# Allegro board RK_EXCAVATOR_MAIN_V12_20161114_FZBFINAL.brd (continued)
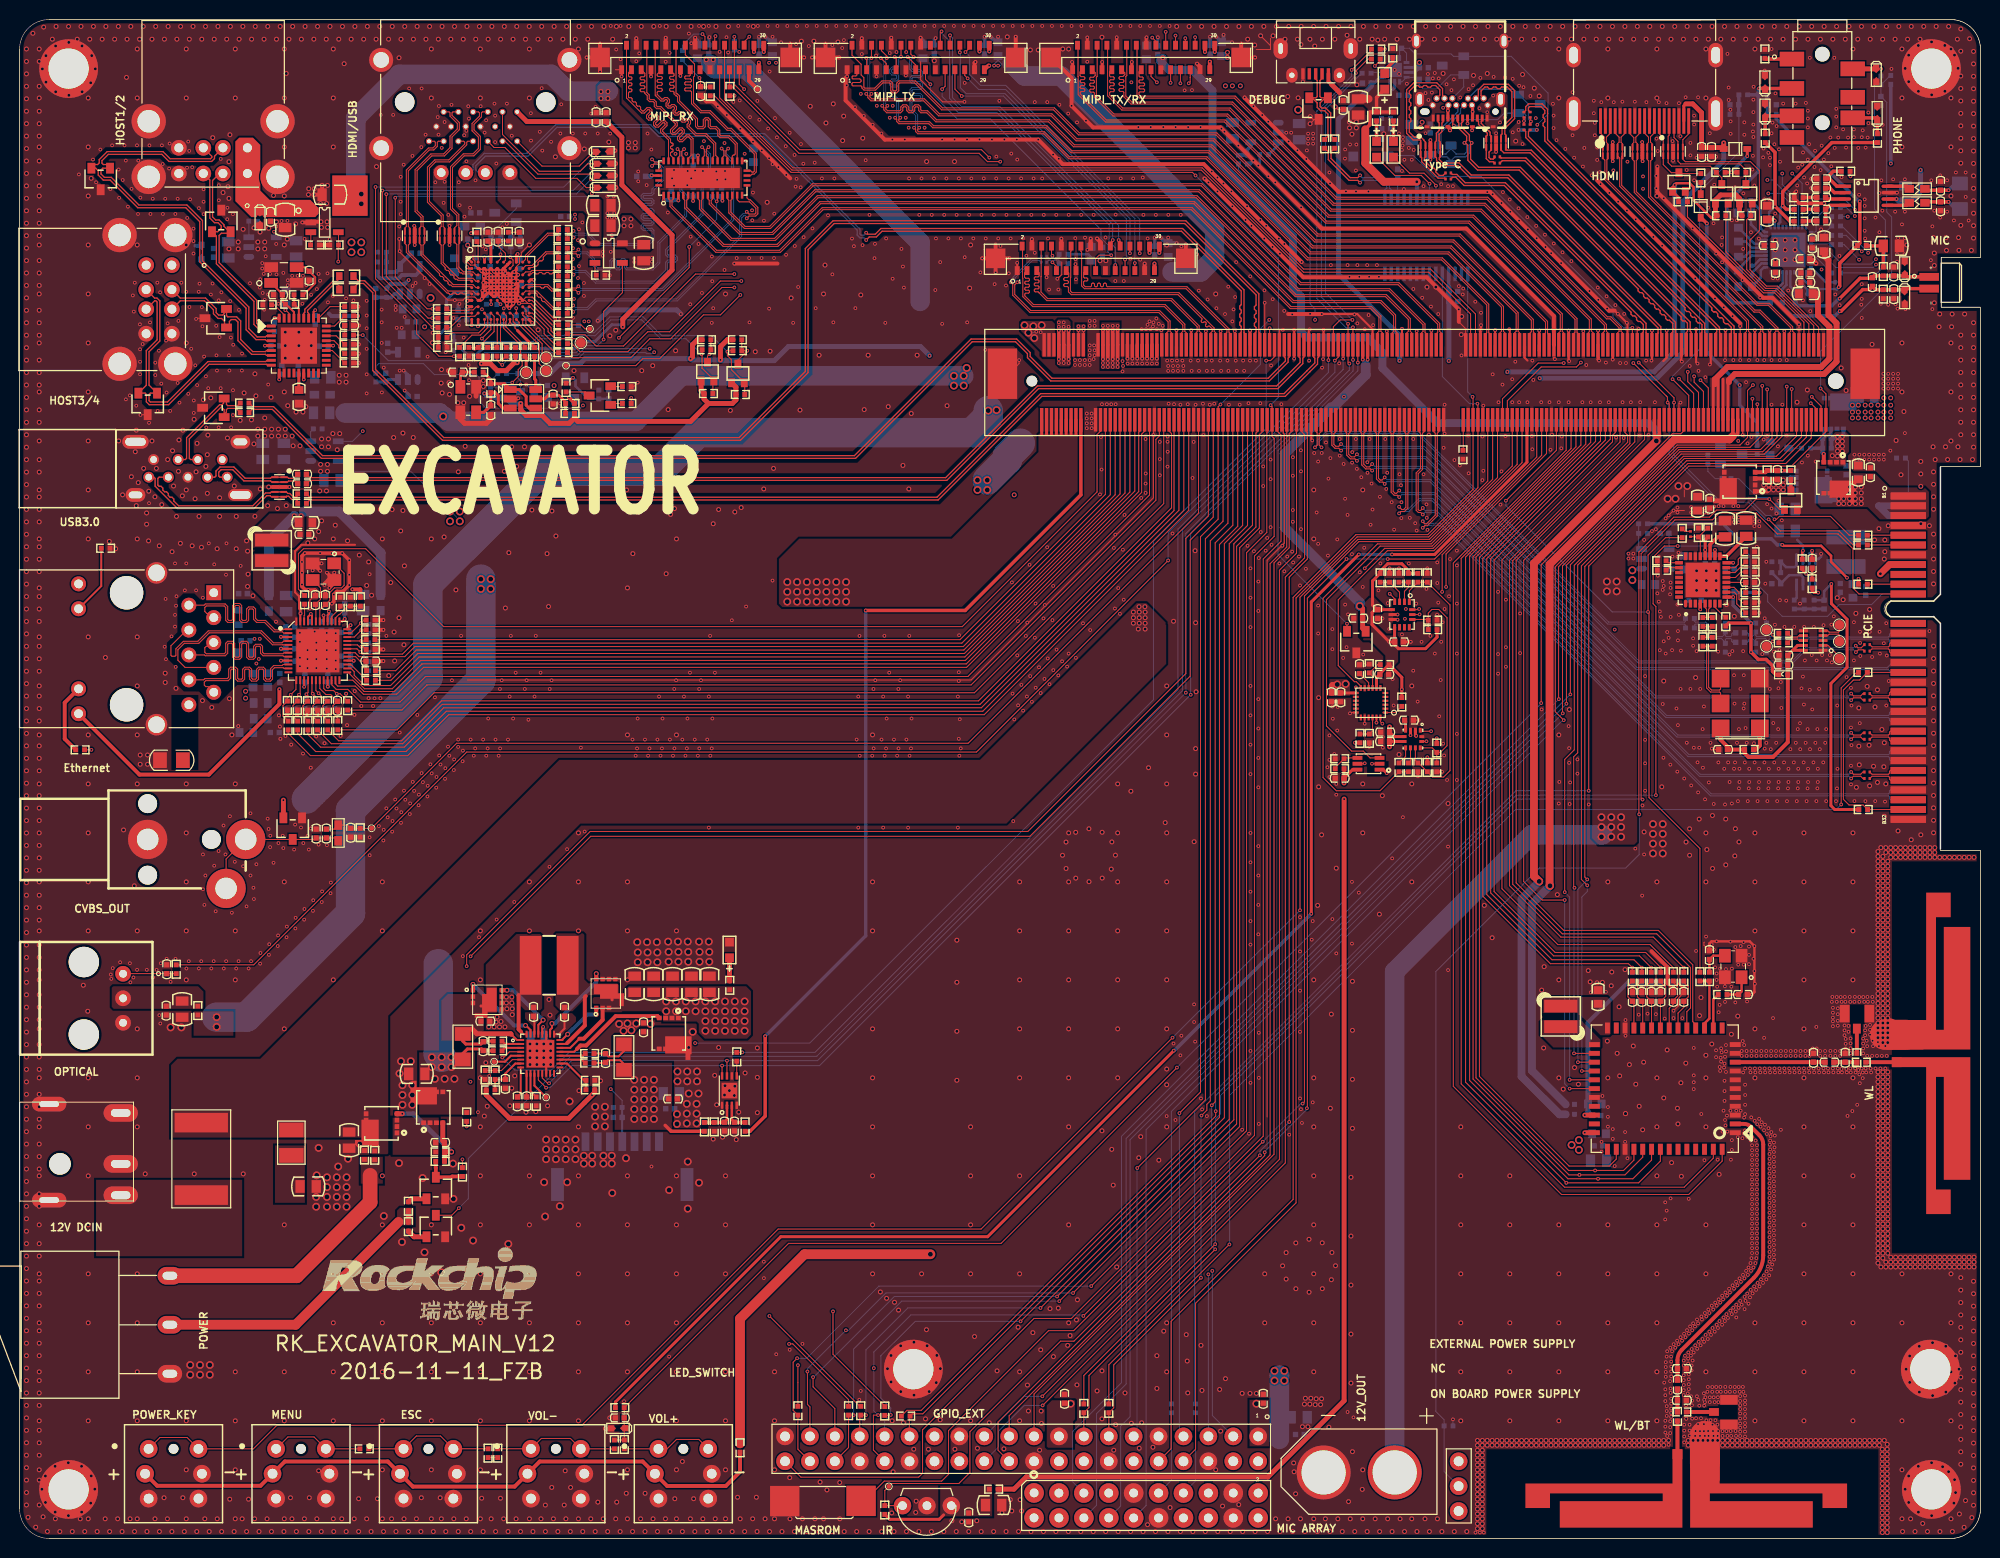
[diagram p0: board, top side]
## Routing (per net, layer and track width the routed paths; a pad name or vN(x,y) marks a point on that pad's centre or on a via; arc(x,y) is an arc through that point) (continued)
VBUS_TYPEC: length 3.8
  TOP w0.305: J8903.A9 v1(145.69,145.7) 145.69,146.21 J8903.B4 ; J8903.B9 148.21,146.19 v1(148.21,145.6) 148.21,144.97 J8903.A4
  BOTTOM w0.102: C8948.1 143.76,144.34 ; 140.26,147.96 140.26,148.06
  BOTTOM w0.3: U8914.2 140.26,148.06 140.05,147.85
  vias: v1(145.2,146) v2(142.9,144) v2(143.06,144.52) v3(130.41,145.8)
VCC1V8_S3: length 183.2
  TOP w0.35: 167.05,112.5 166.95,112.4 v3(166.95,112) ; J9001.243 167.25,112.5 ; J9001.241 166.75,112.5
  TOP w0.8: v3(155,67.05) 154.46,67.59 154.46,99.51 v3(166.95,112)
  S1 w0.4: v2(93.3,150.8) 96.81,150.8 97.22,151.21 116.49,151.21 v2(116.6,151.1)
  BOTTOM w0.102: C4703.1 v2(93.3,150.8) 93.1,150.8
  BOTTOM w0.8: v2(116.6,151.1) 116.3,150.8 117.25,149.85 119.6,149.85 121.67,147.78 121.67,141.12 129.88,132.92 129.88,127.58 130.72,126.73 130.72,123.14 131.31,122.55 137.5,122.55 139,121.05 139,119.45 144.63,113.82 166.15,113.82 166.95,113.02 v3(166.95,112) ; v3(155,67.05) 153.2,65.25 153.2,47.15 157.07,43.28 R9022.1
VCC3V3_FT232_U2: length 2
  BOTTOM w0.102: U1401.17 140.57,136.85 C1403.1
VCC3V3_S3: length 345.1
  TOP w0.25: U4601.22 v1(74.08,140.58) ; U4601.1 v1(65.69,136.54) ; U4601.13 v1(71.69,136.51) ; U4601.7 v1(68.69,136.49) ; U4601.40 64.48,139.08 v1(64.46,139.1) ; U4601.4 v1(67.19,136.54) ; U4601.31 v1(69.19,141.14)
  TOP w0.3: J9001.10 v1(106.5,123.25) ; J9001.12 v1(107,123.25) ; J9001.8 v1(106,123.25)
  TOP w0.305: U8003.5 139.95,94.78 C8009.2 ; R8020.2 C8011.1 135.96,78.46 U8005.6 ; U8003.8 140.25,92.98 C8010.2 ; R8017.2 144.58,91.98 143.4,90.8 140.65,90.8 140.25,91.2 C8010.2 ; U8002.13 134.76,86.28 C8002.1 ; C8010.2 v1(139.71,91.49) 137.95,93.25 137.95,94.48 138.25,94.78 138.47,94.78 138,95.25 138,97.71 R8014.2 138.77,98.7 139.54,99.47 140.98,99.47 141.66,98.79 R8012.2 R8016.2 ; U8001.5 140.19,81.83 C8006.2 ; R8005.2 v1(140.99,86.65) 140.99,87.87 R8004.1 138.75,88.25 C8003.2 138.4,87.84 U8002.8 ; R8003.2 v1(136.2,81.2) ; R8009.2 v1(144.55,81.65) ; C8005.2 139.74,81.33 U8001.6 ; R8008.2 v1(143.59,79.71)
  TOP w0.35: J9001.10 v1(106.5,120.35) ; J9001.12 v1(107,120.35) ; J9001.8 v1(106,120.35)
  TOP w0.5: v1(139.73,80.78) C8005.2 C8006.2 v1(139.73,82.82) ; C8011.1 v1(135.09,77.09) ; v1(135.1,75.45) 135.1,14.05 127.32,6.27 102.68,6.27 101.43,5.03 R9011.1 ; C8002.1 C8004.2 133.8,87.05 133.9,87.15 v3(134.4,87.15) ; D9001.2 v1(26.91,75.34)
  S1 w2: 99.2,115.1 109.95,104.35 109.95,94.1 113,91.05 129.79,91.05 133.8,87.05
  BOTTOM w0.102: v2(70.75,150.9) 70.55,151.1 70.05,151.1
  BOTTOM w0.25: 109.5,130.55 109,131.05 R5002.2
  BOTTOM w0.3: v1(71.69,136.51) 71.6,136.6 C4611.1 ; C4608.1 69.1,141.05 v1(69.19,141.14) ; C4610.1 68.7,136.48 v1(68.69,136.49)
  BOTTOM w0.4: v1(67.19,136.54) 67.13,136.6 C4607.1 65.75,136.6 v1(65.69,136.54)
  BOTTOM w0.5: C4609.1 64.36,139 v1(64.46,139.1)
  BOTTOM w2: 91.85,126.25 91.85,132.25 74.1,150 70.9,150 70.5,150.4
  BOTTOM w3: v3(98.8,115.1) 98.8,114.5 97.4,113.1 97.4,112.85 69.22,112.85 65.27,108.9 53.2,108.9 41.65,97.35 41.65,87.85 29.25,75.45
  vias: v1(56.65,135.1) v1(56.65,134.65) v1(57.6,124.2) v1(58.05,124.2) v1(106,124.1) v1(106,123.65) v1(106,119.95) v1(106.5,124.1) v1(106.5,123.65) v1(106.5,119.95) v1(107,123.65) v1(107,119.95) v2(70.05,150.9) v2(110.2,130.4) v2(110.8,130.4) v3(99.65,115.15) v3(135.25,87.2)
VCC3V3_S5: length 93
  TOP w0.35: v1(86.3,94.7) 96.45,94.7 108.25,106.5 J9001.17 ; v1(76.05,51.25) 76.05,43.1 74.5,41.55 R2234.2
  BOTTOM w0.35: v1(86.3,94.7) 86.3,61.5 v1(76.05,51.25)
VCC3V3_SYS: length 510.4
  TOP w0.35: D4502.1 171.52,134.78 v1(172.1,134.2)
  TOP w0.5: U6101.36 v1(159.65,41.4)
  TOP w1: R9015.1 73.48,22.42 80.06,29 v3(92.9,29)
  S1 w0.305: v3(103.5,122.5) 103.75,122.25 109.8,122.25 110.7,121.35 139.59,121.35 v1(140.75,120.19) 141.87,121.31 150.63,121.31 154.24,117.7 v1(175.45,117.7)
  S1 w1: v3(43.2,114.5) 40.39,117.31 40.39,124.97 41.92,126.49 v3(41.92,126.59) ; J9002.1 144.24,10.41 J8303.3 ; v3(126.15,13.75) v3(107.2,13.75)
  S1 w2: v3(92.9,29) 92.9,28.38 107.2,14.08 ; 96.23,114.57 106.9,103.9 106.9,92.77 111.27,88.4 120.75,88.4 123,86.15 123,76.7 137.73,61.97 137.73,48.87 146.36,40.23 158.63,40.23 v3(159.05,40.65)
  S1 w3: v3(92.9,29) 92.97,29.07 92.97,114.32
  BOTTOM w0.102: v3(102.9,123.05) 103.6,123.05 v1(103.7,123.15)
  BOTTOM w0.3: U8914.4 138.77,149.12 138.18,148.53 C8926.1
  BOTTOM w0.35: R8331.2 177.24,113.86 175.45,115.65 v1(175.45,117.7) 172.1,121.05 v1(172.1,134.2)
  BOTTOM w0.5: v1(140.75,120.19) 140.75,122.8 134.53,129.02 134.53,144.87 137.87,148.2 C8926.1
  BOTTOM w2: 33.2,114.85 42.85,114.85 v3(43.2,114.5) 43.3,114.5 43.8,114 62.85,114 67.5,118.65 v3(95.3,118.65) v3(96.3,118.65)
  vias: v1(104.15,123.1) v3(95.3,117.65) v3(96.3,117.65) v3(96.6,119.45) v3(102.5,123.8) v3(103.4,123.7) v3(104.25,123.8) v3(158.3,40.15) v3(159.05,39.65)
VCC5V0_FT232_U2: length 21.6
  TOP w0.35: R1402.2 137.72,145.57 137.72,144.27 137.26,143.81 ; R1402.2 R1401.2 ; R1402.2 138.41,147.06 LED1403.1
  TOP w0.381: 133.81,148.39 133.5,148.7 J1400.1
  TOP w0.5: 134.66,147.54 133.81,148.39
  TOP w0.8: 137.59,146.91 C1401.1 ; 137.26,143.81 137.26,140.34 139.15,138.45 v2(142.51,138.45)
  BOTTOM w0.4: U1401.20 v2(142.51,138.45)
VCC5V0_HDMI: length 208.6
  TOP w0.102: v1(108.53,123.3) 108.53,121.84 J9001.18 ; J9001.16 v1(108,123.3)
  TOP w0.3: J4501.18 169.75,146.2 169.95,146.4 ; v1(42.7,123) R8524.1 R8526.2
  TOP w0.5: 169.95,146.4 170.66,146.4 171.56,145.5 C4502.2 C4501.1 173.68,141.94 D4501.1 v1(173.82,142.42) ; v1(61.53,123.65) 61.53,124.43 66.55,129.45 66.55,133 61.43,138.12 61.43,142.99 C8503.2 C8502.1 51.74,144.6 J8501.18
  S1 w0.102: v1(108,123.3) v1(108.53,123.3)
  S1 w0.5: v1(61.53,123.65) 61.93,124.05 69.45,124.05 70.3,124.9 106.58,124.9 108,123.48 v1(108,123.3) ; v1(155.05,118.4) 151.55,121.9 111,121.9 109.75,123.15 108.68,123.15 v1(108.53,123.3)
  BOTTOM w0.3: R8516.1 R8512.1 ; R8512.1 42.97,123 v1(42.7,123) ; R8512.1 44.3,122.84 R8505.1 45.65,120.8 46.59,120.8 47.2,121.41 56.65,121.41 57.36,122.12 58.67,122.12 60.4,123.85 61.32,123.85 v1(61.53,123.65)
  BOTTOM w0.5: v1(155.05,118.4) 167,118.4 169.65,121.05 169.65,136.45 173.82,140.62 v1(173.82,142.42)
  vias: v1(108,123.7) v1(108.53,123.7)
VCC5V0_HOST_EN: length 141.6
  TOP w0.102: v1(59.57,122.35) 59.57,125.22 61.49,127.14 U8912.4 ; v1(32.5,130.3) 32.5,131.95 32.53,131.98 R8908.1 32.53,133.28 U8901.4 ; R8907.1 34.99,122.81 v1(35,122.8) ; J9001.90 v1(127.5,123.5)
  S1 w0.102: v1(59.57,122.35) 59.57,123.37 60.7,124.5 69,124.5 70.45,125.95 125.05,125.95 v1(127.5,123.5) ; v1(35,113) v1(35,122.8) 35,127.8 v1(32.5,130.3) 29.45,133.35 v1(25.95,133.35)
  BOTTOM w0.102: v1(35,122.8) 37.61,120.19 44.56,120.19 44.76,120.4 46.79,120.4 47.4,121.01 56.75,121.01 57.46,121.72 58.93,121.72 v1(59.57,122.35) ; v1(35,113) 33.97,111.97 U8913.4 ; U8905.4 26.18,133.12 v1(25.95,133.35)
VCC5V0_HOST_EN_2: length 2.4
  BOTTOM w0.381: U90010.4 125.58,142.08 125.23,141.73 R89550.1 R89549.2
VCC5V0_SYS: length 435.6
  TOP w0.35: v1(111.5,123.35) J9001.26 v1(111.5,120.35) ; v1(112,120.35) J9001.28 v1(112,123.35) ; U7102.6 v1(191.44,136.69) ; v1(111,123.35) J9001.24 v1(111,120.35) ; v1(110.5,120.35) J9001.22 v1(110.5,123.35)
  TOP w0.4: J4601.30 v1(75.9,151.7) ; J4601.29 v1(75.4,150.6) ; J4702.29 121.4,150.7 v1(121.4,150.7) ; J4701.30 v1(98.9,151.75) ; J5001.29 v1(115.75,130.1) ; J4702.30 v1(121.9,151.7) ; J5001.30 v1(116.25,131.2) ; J4701.28 v1(97.9,151.75) ; J4601.28 v1(74.9,151.7) ; J5001.28 v1(115.25,131.2) ; J4701.29 98.82,150.3 v1(98.9,150.3) ; J4702.28 v1(120.9,151.7)
  S1 w0.5: v2(123.2,151.15) 123.85,150.5 137.52,150.5 138.1,151.08 139.18,151.08 139.76,150.5 142.66,150.5 v2(142.78,150.62) 154.23,150.62 155.85,149 187.85,149 193.9,142.95 v1(193.9,139.65)
  S1 w1: v1(193.9,139.65) 193.9,112.15 189.7,107.95 189.7,105.6 186.55,102.45 168.3,102.45 164.65,98.8 v3(164.5,98.8) v3(164.5,97.8)
  S1 w2: v3(34.85,136.2) v3(34.85,132.27) v3(34.85,131.27) ; v3(98.7,107) 98.7,46.45 128.5,16.65
  BOTTOM w0.102: 44.6,104.2 39.9,108.9 33.9,108.9 ; v1(99.8,150.3) 100.05,150.3 100.2,150.45 99.8,150.85 99.8,150.85 ; C4704.1 99.8,150.85 ; 99.8,150.85 99.3,150.35 99.35,150.3 v1(99.4,150.3)
  BOTTOM w0.3: U8914.13 142.3,149.62 C8946.1 142.76,150.12 U8914.12
  BOTTOM w0.5: 192.35,136.37 C7127.1 192.35,136.37 ; 192.35,136.37 192.82,136.37 193.9,137.45 v1(193.9,139.65) ; 192.35,136.37 191.76,136.37 v1(191.44,136.69) ; C8946.1 v2(142.78,150.62)
  BOTTOM w1.5: v1(60.05,147.7) v2(60,147.65)
  BOTTOM w2: 128.5,16.65 128.49,16.64 128.49,10.11 ; 101.25,150.5 102.5,149.25 106.21,149.25 121.88,133.58 121.88,130.66 120.46,129.25 117.55,129.25 ; 34.3,137.65 34.3,144.98 38.74,149.41 54.22,149.41 55.94,147.7 v1(60.05,147.7)
  BOTTOM w3: v3(47.05,97.9) v3(47.05,96.9) 47.05,87.6 33.75,74.3 33.75,63.8 23.15,53.2 v3(20.1,53.2) ; v3(98.7,108) 100.75,110.05 100.75,110.45 102.07,111.77
  vias: v1(76.45,150.6) v1(77.15,150.6) v1(110.5,123.75) v1(110.5,119.95) v1(110.5,119.55) v1(111,123.75) v1(111,119.95) v1(111,119.55) v1(111.5,123.75) v1(111.5,119.95) v1(111.5,119.55) v1(112,123.75) v1(112,119.95) v1(112,119.55) v2(59.3,147.65) v2(59.3,146.95) v2(60,146.95) v2(61.65,134.65) v2(61.65,133.95) v2(62.1,142.45) v2(62.1,141.9) v2(62.35,134.65) v2(62.35,133.95) v2(62.8,142.45) v2(62.8,141.9) v2(122.99,148.23) v2(123.2,151.65) v2(123.71,148.23) v2(124.52,148.23) v3(20.1,52.2) v3(33.85,132.27) v3(33.85,131.27) v3(34.85,137.2) v3(43.9,104.8) v3(43.9,103.8) v3(44.9,104.8) v3(44.9,103.8) v3(48.05,97.9) v3(48.05,96.9) v3(97.7,108) v3(97.7,107) v3(128,17.1) v3(128,16.1) v3(129,17.1) v3(129,16.1)
VCC18_HDMIIN: length 58.7
  TOP w0.2: U8503.K7 v1(50.02,123.92)
  TOP w0.3: v1(50.76,119.99) 50.76,120.09 50.58,120.26 R8540.2
  TOP w0.508: 70.26,115.82 69.81,116.27 R89533.1 69.51,117.14 Q237.1 ; 70.26,115.82 72.7,115.82 73.07,116.19 R89536.1 73.07,117.49 Q8502.1 ; 70.26,115.82 68.44,114 56.94,114 56.59,114.34 ; 56.59,114.34 56.04,113.79 54.11,113.79 53.3,114.6 51.67,114.6 51.11,115.16 v1(51.11,115.82) ; 56.59,114.34 R89530.1 ; R8533.2 R8541.2 47.73,120.52 v1(47.1,119.89) 48.01,119.89 48.72,119.18 49.64,119.18 50.45,119.99 v1(50.76,119.99)
  S1 w0.5: v1(50.76,119.99) 50.76,123.18 v1(50.02,123.92)
  S1 w0.508: v1(47.4,116.84) 47.51,116.84 48.01,117.35 48.01,118.97 v1(47.1,119.89) 46.39,119.18 44.66,119.18 43.44,120.4 42.73,120.4 41.31,121.82 v2(41.31,123.65)
  BOTTOM w0.381: v1(50.02,123.92) 50.03,123.91 C50063.2
  BOTTOM w0.508: v1(51.11,115.82) 51.06,115.77 50.2,115.77 49.58,116.39 Q8503.1 48.56,116.39 48.36,116.59 R89539.1 47.65,116.59 v1(47.4,116.84)
VCC33_HDMIIN: length 11.7
  TOP w0.2: U8503.B1 45.8,129.6 45.65,129.74 v1(45.65,129.74)
  TOP w0.25: v1(46.75,123.7) 46.77,123.72 U8503.K2
  TOP w0.3: v1(45.68,126.29) 45.74,126.35 U8503.G1 ; R8531.1 46.1,133.25 v1(46.05,133.2)
  TOP w0.381: R89529.1 56.59,115.88 v1(56.04,116.43)
  BOTTOM w0.305: C8528.2 45.9,129.5 v1(45.65,129.74) ; v1(46.75,123.7) 46.9,123.85 C8525.2 C8526.2 ; v1(45.68,126.29) 45.68,127.07 C8527.2 44.25,127.1 43.56,126.41 R8520.1 ; v2(45.7,131.98) C8508.1
  vias: v2(54.52,117.65)
VCC_1V8: length 84.2
  TOP w0.35: 175.25,112.75 J9001.275 ; 174.75,112.75 J9001.273
  TOP w0.8: v3(156.1,66.6) 156.06,66.64 156.06,99.39 168.82,112.16 174.41,112.16 174.75,112.5
  BOTTOM w0.8: R9021.1 154.25,47.75 154.25,64.75 v3(156.1,66.6)
VCC_3V0: length 203.9
  TOP w0.25: R4501.1 172.93,134.78 172.53,134.78 170.75,136.56 170.75,137.9 170.35,138.3 169,138.3 v1(168.82,138.12) 168.6,137.9 Q4502.1 169.21,136.86 R4503.1
  TOP w0.305: J9001.128 v1(137,120.3) ; J9001.130 v1(137.5,120.3)
  TOP w0.5: v3(136.7,95.15) 136.99,94.86 C8008.1 136.99,92.88 U8004.1 ; R4501.1 172.97,135.15 Q4501.1 173,136.3 173,136.6 173.5,137.1 175.08,137.1 175.43,136.75 Q4503.1 175.43,135.24 R4505.1
  TOP w0.508: R89535.1 72.19,122.33 71.48,121.62 v1(71.48,120.27) ; v1(68.44,120.4) 68.64,120.6 68.64,121.82 69.15,122.33 R89532.1
  S1 w0.5: 145.77,120.15 143.58,120.15 142.91,119.48 138.32,119.48 v1(137.5,120.3) ; 145.77,120.15 v1(145.79,120.16) ; 145.77,120.15 150.65,120.15 v1(151.75,119.05)
  S1 w0.508: v1(92.82,120.7) 97.09,120.7 101.35,116.43 124.11,116.43 124.2,116.52 v1(135.08,116.52)
  BOTTOM w0.35: 145.76,127.7 U1401.4
  BOTTOM w0.5: 145.76,127.7 145.79,127.68 C1404.1 C1405.1 v1(145.79,120.16) ; v1(168.82,138.12) 168.82,121.17 166.7,119.05 v1(151.75,119.05)
  BOTTOM w0.508: v1(92.82,120.7) 91.88,121.64 78.42,121.64 76.97,120.19 71.56,120.19 v1(71.48,120.27) 68.56,120.27 v1(68.44,120.4) 57.67,120.4 57.16,119.89 55.13,119.89 54.11,118.87 R89538.1
  BOTTOM w1: 137.3,119.7 137.3,118.73 v1(135.08,116.52) 133.98,115.42 133.76,115.42 129.04,110.69 129.04,103.16 136.7,95.5 v3(136.7,95.15)
VCC_BATT: length 8.2
  TOP w0.203: R515.1 59.71,48.52 C515.2 59.99,48.8 61.25,48.8 61.64,48.41 R513.2
  TOP w0.35: 65.85,42.15 66.45,41.55 R2233.2
  vias: v3(62.7,46.8) v3(62.7,45.8) v3(62.7,44.8) v3(62.7,43.8) v3(62.7,42.8) v3(63.7,46.8) v3(63.7,45.8) v3(63.7,44.8) v3(63.7,43.8) v3(63.7,42.8) v3(64.7,46.8) v3(64.7,45.8) v3(64.7,44.8) v3(64.7,43.8) v3(64.7,42.8)
VCC_CHAREG: length 23.5
  TOP w0.305: R506.1 47.31,49.76 C503.1 47.12,49.95 45.68,49.95 45.21,49.48 R502.1
  TOP w0.35: J9001.36 v1(114,120.4) ; J9001.34 v1(113.5,120.4) ; J9001.42 v1(115.5,120.4) ; J9001.44 v1(116,120.4) ; J9001.32 v1(113,120.4) ; J9001.40 v1(115,120.4) ; J9001.38 v1(114.5,120.4)
  BOTTOM w3: 42.7,58.65 42.7,49.45 v3(43.05,49.1)
  vias: v1(113.02,119.9) v1(113.5,119.9) v1(114,119.9) v1(114.5,119.9) v1(115,119.9) v1(115.5,119.9) v1(116,119.9) v3(42.05,49.1) v3(42.05,48.1) v3(42.35,46.9) v3(43.05,48.1) v3(43.35,46.9) v3(44.05,49.1) v3(44.05,48.1) v3(44.35,46.9)
VCC_CHAREG_EN: length 130.1
  TOP w0.102: v1(45.6,58.4) 45.6,59.55 58.2,72.15 102.84,72.15 118.95,88.26 118.95,102.05 121.25,104.35 J9001.65 ; R501.2 v1(45.6,42.05)
  S1 w0.102: v1(45.6,58.4) 45.6,58.4 v1(45.6,42.05)
VCC_DC:
  vias: v2(113.6,94.54) v2(113.6,93.96) v2(113.6,93.4) v2(114.1,92.8) v2(114.18,95.09) v2(114.21,94.54) v2(114.21,93.96) v2(114.21,93.4) v2(114.78,95.09) v2(114.8,94.54) v2(114.8,93.96) v2(114.8,93.4) v2(114.8,92.8) v2(186.95,115.65) v2(186.95,114.95) v2(186.95,114.35) v2(187.55,115.65) v2(187.55,114.95) v2(187.55,114.35) v2(188.25,115.65) v2(188.25,114.95) v2(188.25,114.35) v2(188.85,115.65) v2(188.85,114.95) v2(188.85,114.35) v2(189.55,115.65) v2(189.55,114.95) v2(189.55,114.35) v2(190.15,116.39) v2(190.15,115.65) v2(190.15,114.95) v2(190.15,114.35) v2(190.85,116.39) v2(190.85,115.65) v2(190.85,114.95) v2(190.85,114.35)
VCC_SYS: length 18.8
  TOP w0.203: 57.1,51 56.16,50.06 U501.22
  TOP w0.305: J9001.15 107.75,112.65 ; J9001.9 106.25,112.65 ; J9001.5 105.25,112.65 ; J9001.3 104.75,112.65 ; J9001.7 105.75,112.65 ; J9001.13 107.25,112.65 ; J9001.1 104.25,112.65 ; J9001.11 106.75,112.65
  TOP w0.4: 57.1,51 57.55,51 59.47,52.92 Q504.2
  vias: v3(65.95,54.8) v3(65.95,53.8) v3(66.95,54.8) v3(66.95,53.8) v3(67.95,54.8) v3(67.95,53.8) v3(68.95,54.8) v3(68.95,53.8) v3(69.95,54.8) v3(69.95,53.8) v3(69.95,52.8) v3(69.95,51.8) v3(70.95,54.8) v3(70.95,53.8) v3(70.95,52.8) v3(70.95,51.8) v3(71.95,54.8) v3(71.95,53.8) v3(71.95,52.8) v3(71.95,51.8) v3(72.95,54.8) v3(72.95,53.8) v3(72.95,52.8) v3(72.95,51.8) v3(73.95,54.8) v3(73.95,53.8) v3(73.95,52.8) v3(73.95,51.8) v3(78.3,97.6) v3(78.3,96.6) v3(78.3,95.6) v3(79.3,97.6) v3(79.3,96.6) v3(79.3,95.6) v3(80.3,97.6) v3(80.3,96.6) v3(80.3,95.6) v3(81.3,97.6) v3(81.3,96.6) v3(81.3,95.6) v3(82.3,97.6) v3(82.3,96.6) v3(82.3,95.6) v3(83.3,97.6) v3(83.3,96.6) v3(83.3,95.6) v3(84.3,97.6) v3(84.3,96.6) v3(84.3,95.6)
VCCA1V8_CODEC: length 59.8
  TOP w0.3: J9001.269 173.75,118.3 ; 174.25,118.25 J9001.271
  TOP w0.5: v1(183.23,130.12) 182.95,130.4 182.6,130.4 C7112.1
  TOP w0.6: 184.1,130.85 184.5,130.45 184.5,124.85 185.33,124.02 185.33,120.1 184.05,118.82 174.95,118.82 174.35,118.22 174.35,118
  S1 w0.381: v1(177.4,132.65) 178.05,133.3 179.38,133.3 186.39,140.31 v1(190.86,140.31)
  BOTTOM w0.25: U7101.39 v1(183.23,130.12) ; v1(177.4,132.65) 177.53,132.52 U7101.18 ; U7101.8 179.42,128.67 v1(179.32,128.57) ; v1(178.85,128.6) 178.85,128.65 179.02,128.82 U7101.9
  BOTTOM w0.381: R89545.1 v1(190.86,140.31)
VCCA1V8_S3: length 156.3
  TOP w0.3: v1(139.99,100.42) 144.34,100.42 153.75,109.83 J9001.189
  TOP w0.305: v1(117.73,49.78) 98.74,30.79 77.64,30.79 60.77,13.92 R8101.2 ; v1(131.75,63.75) 131.75,95.57 v1(136.6,100.42)
  BOTTOM w0.305: v1(139.99,100.42) v1(136.6,100.42)
  BOTTOM w0.35: v1(131.75,63.75) 117.78,49.78 v1(117.73,49.78)
VCCA3V0_CODEC: length 29.6
  TOP w0.3: 173.25,118.3 J9001.267 ; J9001.265 172.75,118.35
  TOP w0.6: C7115.1 183.44,127.04 183.44,124.81 184.6,123.65 184.6,120.4 183.75,119.55 174.18,119.55 172.95,118.32 172.95,117.8
  BOTTOM w0.25: U7101.1 182.22,128.83 v1(182.35,128.7)
VCCA33_PLL: length 21.1
  TOP w0.3: U8302.16 v1(174.78,99.57) ; U8302.9 v1(174.78,96.07) ; U8302.20 v1(171.93,100.88) ; U8302.18 v1(172.93,100.88)
  TOP w0.305: v1(171.93,100.88) 171.93,101.92 R8315.2
  TOP w0.35: v1(177.47,96.52) R8329.1 ; FB8301.2 179.15,88.13 178.8,88.48 178.8,89.05 178.15,89.7 177.35,89.7 v1(176.6,90.45) v1(176.6,93.41) 174.33,93.41 R8328.1
  BOTTOM w0.35: R8307.1 v1(176.6,93.41) 174.78,95.22 v1(174.78,96.07) ; 175.15,96.5 175.17,96.52 v1(177.47,96.52) ; R8306.1 v1(176.6,90.45)
VCCA33_PLL2: length 0.6
  TOP w0.35: v1(171.43,94.81) U8302.4
VCCA33_SI: length 21.7
  TOP w0.3: U8301.10 180.85,90.63 ; 180.85,90.63 C8302.1 ; 180.85,90.63 181.35,91.13 U8301.9
  TOP w0.4: U8916.6 173.5,81.5 174.2,80.8 C9011.1 R9016.1 175.95,80.15 176.35,79.75 178.85,79.75 180.35,81.25 FB8301.1 C8301.1 C8302.1
VDD1V0_RGMII: length 24
  TOP w0.102: 28.71,104.24 28.84,104.36 ; 28.71,104.24 v2(28.71,104.36) ; 28.71,104.24 28.71,103.92 C2630.1
  BOTTOM w1: FB2603.1 36.82,100.58 32.6,104.8 29,104.8 ; FB2601.1 25.42,101.77 v2(28.01,104.36)
VDD12_HDMIIN: length 9.4
  TOP w0.2: U8503.A1 v1(45.79,130.57)
  TOP w0.25: U8503.K1 v1(46.12,123.82)
  TOP w0.3: v1(52.45,128.45) 52.12,128.45 U8503.D10 ; U8503.H1 v1(45.65,125.7) ; v1(52.28,124.05) 51.97,124.37 U8503.K10 ; v1(50.8,131.08) 50.67,130.94 U8503.A8 ; U8503.A3 v1(47.42,130.72)
  BOTTOM w0.381: U8911.5 40.8,129.31 40.42,128.93 38.99,128.93 38.67,128.6 36.76,128.6 36.49,128.87 R8944.1
VDDA: length 25
  TOP w0.203: v1(53.4,52.2) 53.31,52.11 U501.28
  TOP w0.5: R516.2 58.67,45.52 v1(58.39,45.24) 57.62,44.47 56.02,42.87 49.98,42.87 47.59,45.26 R514.1
  S1 w0.508: v1(53.4,52.2) 54.09,51.51 54.62,51.51 58.39,47.74 v1(58.39,45.24)
  BOTTOM w0.203: v1(53.4,52.2) 53.53,52.07 C516.2
VDDIO_WL: length 22.2
  TOP w0.5: U6101.34 v1(159.65,43.2)
  BOTTOM w0.4: R6109.1 R6107.1 R6108.1 R6106.1 R6105.1 164.14,56.84 159.97,52.67
  BOTTOM w0.5: 159.97,52.67 C6117.1 159.97,43.55 C6118.1
#MIPI_RX0_CLKN: length 17.6
  TOP w0.102: U4601.28 70.69,140.95 70.8,141.06 70.8,142.3 69.95,143.15 68.96,143.15 68.09,144.03 68.09,144.32 68.23,144.47 68.23,144.59 68.14,144.68 68.02,144.68 67.87,144.54 67.58,144.54 67.37,144.74 67.37,145.04 67.51,145.19 67.51,145.31 67.43,145.4 67.3,145.4 67.15,145.25 66.86,145.25 66.65,145.46 66.65,145.76 66.8,145.9 66.8,146.03 66.71,146.12 66.58,146.12 66.43,145.97 66.14,145.97 65.93,146.18 65.93,146.48 66.08,146.62 66.08,146.75 65.99,146.84 65.86,146.84 65.72,146.69 65.42,146.69 64.83,147.28 64.83,152.31 J4601.8
#MIPI_RX0_CLKP: length 17.7
  TOP w0.102: J4601.9 65.4,149.8 65.03,149.43 65.03,149.29 65.12,149.2 65.46,149.2 65.55,149.11 65.55,148.98 65.46,148.9 65.12,148.9 65.03,148.81 65.03,148.68 65.12,148.59 65.46,148.59 65.55,148.5 65.55,148.38 65.46,148.29 65.12,148.29 65.03,148.2 65.03,148.07 65.12,147.98 65.46,147.98 65.55,147.89 65.55,147.77 65.46,147.68 65.12,147.68 65.03,147.59 65.03,147.37 65.51,146.89 65.63,146.89 65.78,147.04 66.07,147.04 66.28,146.83 66.28,146.54 66.13,146.39 66.13,146.27 66.22,146.18 66.35,146.18 66.5,146.32 66.79,146.32 67,146.11 67,145.82 66.85,145.67 66.85,145.55 66.94,145.46 67.07,145.46 67.22,145.6 67.51,145.6 67.72,145.4 67.72,145.1 67.57,144.95 67.57,144.83 67.66,144.74 67.79,144.74 67.93,144.89 68.23,144.89 68.44,144.68 68.44,144.38 68.29,144.24 68.29,144.11 69.04,143.36 70.03,143.36 71,142.38 71,141.14 71.19,140.95 U4601.27
#MIPI_RX0_D0N: length 17.9
  TOP w0.102: J4601.14 67.9,151.41 68.84,150.47 68.84,149.25 68.74,149.15 68.74,146.51 69.55,145.69 70.47,145.69 72.25,143.91 72.59,143.91 75.14,141.36 75.14,139.45 74.92,139.23 74.71,139.23 74.56,139.08 U4601.20
#MIPI_RX0_D0P: length 18
  TOP w0.102: U4601.21 74.56,139.58 74.71,139.43 74.84,139.43 74.94,139.54 74.94,141.28 72.51,143.7 72.17,143.7 70.38,145.49 69.47,145.49 68.54,146.42 68.54,147.62 68.44,147.73 67.93,147.73 67.85,147.81 67.85,147.95 67.93,148.03 68.44,148.03 68.54,148.13 68.54,148.23 68.44,148.34 67.93,148.34 67.85,148.42 67.85,148.56 67.93,148.64 68.44,148.64 68.54,148.74 68.54,148.84 68.44,148.95 67.93,148.95 67.85,149.03 67.85,149.17 67.93,149.25 68.33,149.25 68.4,149.32 J4601.15
#MIPI_RX0_D1N: length 17.4
  TOP w0.102: J4601.11 66.4,149.8 66.75,149.45 66.75,149.3 66.66,149.21 66.39,149.21 66.3,149.12 66.3,148.99 66.39,148.9 66.66,148.9 66.75,148.81 66.75,148.69 66.66,148.6 66.39,148.6 66.3,148.51 66.3,148.38 66.39,148.29 66.66,148.29 66.75,148.21 66.75,148.08 66.66,147.99 66.39,147.99 66.3,147.9 66.3,147.77 66.39,147.68 66.66,147.68 66.75,147.6 66.75,147.42 66.95,147.22 67.01,147.22 67.11,147.12 67.11,146.63 68.94,144.8 68.94,144.09 69.16,143.87 69.73,143.87 69.94,144.07 69.94,144.69 70.03,144.78 70.15,144.78 70.24,144.69 70.24,144.07 70.45,143.87 70.99,143.87 71.21,143.64 71.21,143.17 71.43,142.95 72.31,142.95 72.99,142.28 72.99,141.28 72.89,141.18 72.79,141.18 72.69,141.07 U4601.24
#MIPI_RX0_D1P: length 17.5
  TOP w0.102: J4601.12 66.95,152.34 66.95,147.51 67.04,147.42 67.1,147.42 67.32,147.2 67.32,146.71 69.15,144.88 69.15,144.17 69.25,144.07 69.65,144.07 69.74,144.16 69.74,144.78 69.94,144.98 70.24,144.98 70.45,144.78 70.45,144.16 70.54,144.07 71.08,144.07 71.42,143.73 71.42,143.25 71.52,143.15 72.4,143.15 73.19,142.36 U4601.23
#MIPI_RX0_D2N: length 17.4
  TOP w0.102: U4601.33 68.19,140.84 68.49,141.14 68.49,142.76 68.22,143.03 68.1,143.03 67.61,142.54 67.31,142.54 67.1,142.75 67.1,143.04 67.59,143.53 67.59,143.66 67.5,143.75 67.38,143.75 66.89,143.26 66.59,143.26 66.38,143.47 66.38,143.76 66.87,144.25 66.87,144.38 65.34,145.91 64.97,145.91 64.74,146.14 64.74,146.51 64.62,146.63 64.25,146.63 64.02,146.86 64.02,147.23 63.77,147.48 63.77,147.55 63.68,147.64 63.39,147.64 63.3,147.73 63.3,147.86 63.39,147.95 63.68,147.95 63.77,148.04 63.77,148.16 63.68,148.25 63.39,148.25 63.3,148.34 63.3,148.47 63.39,148.56 63.68,148.56 63.77,148.65 63.77,148.77 63.68,148.86 63.39,148.86 63.3,148.95 63.3,149.08 63.39,149.17 63.68,149.17 63.77,149.26 63.77,149.52 J4601.5
#MIPI_RX0_D2P: length 17.5
  TOP w0.102: J4601.6 63.98,152.31 63.98,147.56 64.22,147.32 64.22,146.94 64.34,146.83 64.71,146.83 64.94,146.6 64.94,146.22 65.05,146.11 65.43,146.11 67.08,144.46 67.08,144.17 66.59,143.68 66.59,143.55 66.68,143.46 66.8,143.46 67.29,143.95 67.59,143.95 67.8,143.74 67.8,143.45 67.31,142.96 67.31,142.83 67.4,142.74 67.52,142.74 68.01,143.23 68.31,143.23 68.69,142.85 U4601.32
#MIPI_RX0_D3N: length 17.5
  TOP w0.102: J4601.2 61.9,147 63.44,145.46 63.73,145.46 64.08,145.81 64.2,145.81 64.29,145.72 64.29,145.59 63.95,145.25 63.95,144.95 64.16,144.74 64.45,144.74 64.8,145.09 64.92,145.09 65.01,145 65.01,144.87 64.67,144.53 64.67,144.23 64.87,144.03 65.17,144.03 65.62,144.47 65.74,144.47 65.83,144.38 65.83,144.26 65.38,143.81 65.38,143.52 66.19,142.71 U4601.37